# KiCad board VNTR-65.kicad_pcb (continued)
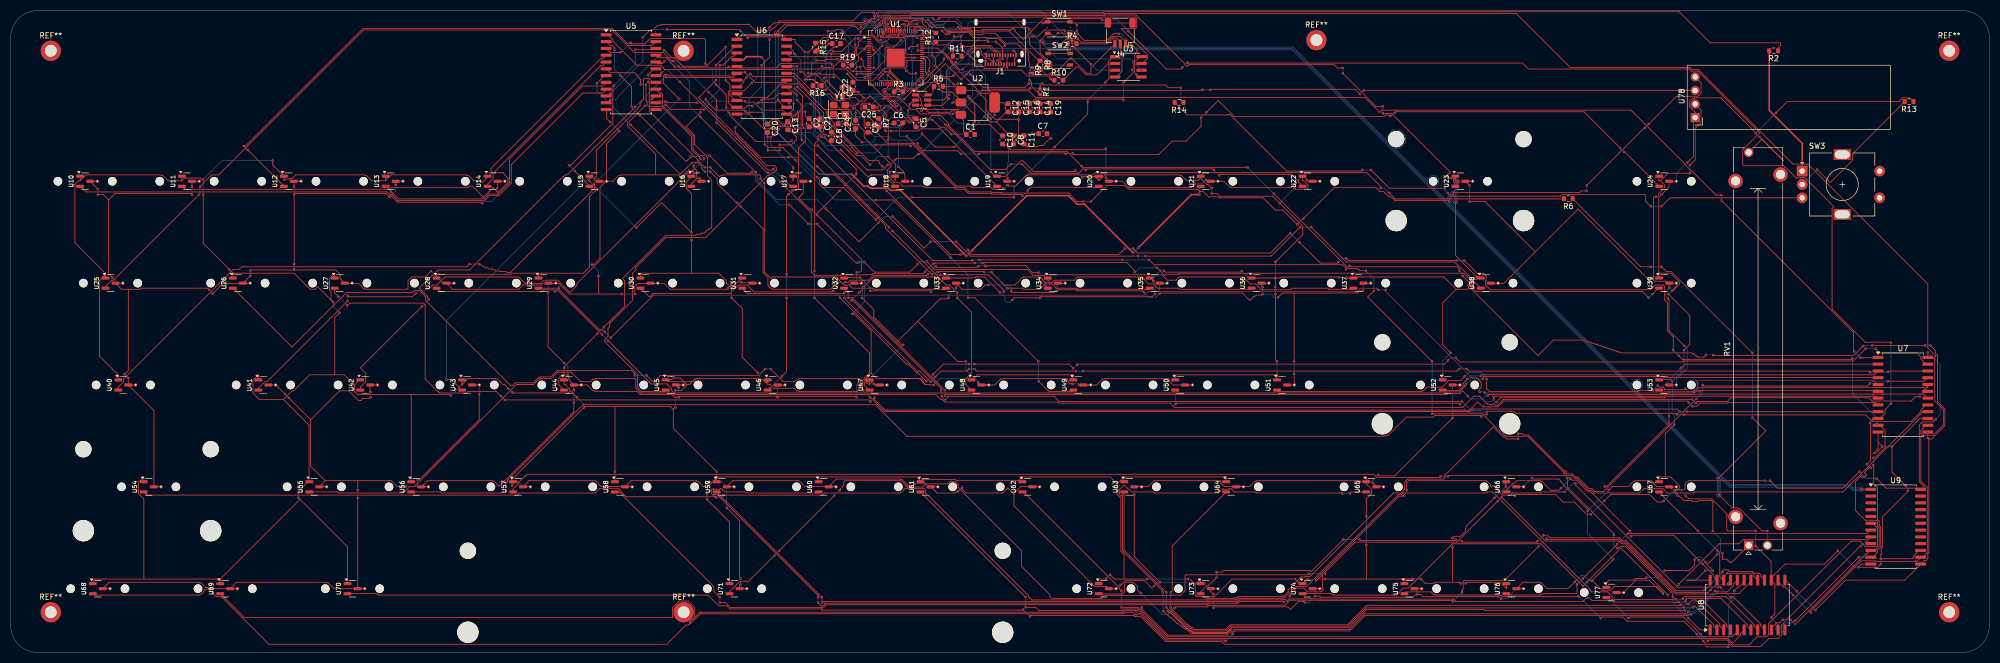
[diagram p0: board, top side]
## Routing (per net, layer and track width the routed paths; a pad name or vN(x,y) marks a point on that pad's centre or on a via; arc(x,y) is an arc through that point) (continued)
  Top w0.3: 194.2,102.5 193.9,102.8 ; 169.2,99.5 v1(168.7,100) 168.83,100 ; v1(151.5,112.3) 150.9,112.9 150.8,112.8 150.6,112.8 150.6,112.75
  Bottom w0.15: v1(318.3,15.3) v1(316.9,15.3) ; v1(142.1,96.3) 142.1,94.9 v1(146.3,90.7) ; v1(214,67) 214,69.1 v1(213.7,69.4) ; v1(155.6,116.2) 157,114.8 157,113.7 157.7,113 159.5,113 v1(159.7,112.8) ; v1(130.2,29.6) v1(130.2,28.6) ; v1(213.6,70) 215,71.4 v1(215.6,71.4) ; v1(172.6,50) 173.8,51.2 v1(179.3,51.2) ; v1(107.2,45.8) 107.2,46.4 v1(105.9,47.7) ; v1(311.1,42.6) 311.1,44.3 310.7,44.7 v1(310.7,50.7) 312.9,52.9 v1(312.9,56.5) ; v1(194,69.7) 194.2,69.5 194.2,68.2 192.5,66.5 v1(192.5,66.3) ; 162.75,116.4 160.8,118.35 160.15,118.35 159.98,118.53 159.62,118.53 159.38,118.28 159.38,117.92 159.62,117.67 159.98,117.67 160.15,117.85 160.6,117.85 161.3,117.15 159.35,117.15 159.18,117.33 158.82,117.33 158.57,117.08 158.57,117 157,117 155.9,115.9 ; 319.7,18.9 v1(319.1,18.3) ; 319.7,18.9 v1(320.1,18.5) ; 319.7,18.9 319.7,21.3 v1(318.3,22.7) ; v1(148.6,101.1) v1(147.3,101.1) 148.8,102.6 v1(149.6,102.6) ; v1(148.5,107.1) 148.7,107.1 149.7,108.1 149.7,110.5 v1(151.5,112.3) ; v1(148.5,107.1) v1(148.5,112.3) ; v1(148.5,107.1) 149.3,107.9 149.4,107.9 149.8,108.3 149.8,109.9 v2(150.6,110.7) ; v2(171.4,108.2) v2(170.5,107.3) ; v1(41.6,70.9) v1(40.9,71.6) ; v1(277.5,28.9) v1(279.6,31) v1(281.3,29.3) ; v1(314,89.6) v1(314,91.1) ; v1(295.5,25.8) v1(298,28.3) ; v1(134.8,66.3) v1(134.8,68.1) ; v1(191.8,103) v1(193.3,104.5) ; v1(137.8,114.9) v1(136.5,116.2) ; v1(328,32.1) v1(329,32.1) ; v1(49,92) 39.6,92 v1(36,88.4) v1(36,85.6) ; v1(171.2,99.9) 171.5,99.6 v1(172.3,99.6) ; v1(174.5,69.8) v1(172.1,67.4) ; v1(208.1,103.3) v1(208.1,106.6) ; v1(314.9,17.3) 315.4,17.8 316,17.8 v1(316.9,16.9) ; v1(236.5,67) v1(236.5,68.3) ; v2(158.3,93.4) 161.6,93.4 v1(164.1,95.9) v1(164.1,92.7) 162.2,92.7 v1(160.7,91.2) ; v1(242.5,13.7) v1(245.8,13.7) ; v1(309.3,15.3) 308,14 v1(305.9,14) ; v1(240.2,13.7) v1(240.9,13) ; v1(53.8,29.9) v1(53.8,28.9) ; v1(93.8,48.6) v1(93.1,49.3) ; v1(120.6,115.5) 120.6,116.5 v1(122.7,116.5) ; v1(139.7,52.3) 140.1,51.9 v1(140.1,51) 140.7,51 v1(141.1,50.6) ; 162.75,116.4 v1(166.3,116.4) ; v1(176.1,102.8) 176.4,103.1 176.4,106.2 v1(176.3,106.3) ; v1(205.6,14.5) v1(204.9,13.8) ; v1(157.4,63.3) 159.7,65.6 159.7,69.2 v1(158.8,70.1) 160.7,68.2 v1(160.7,67.6) ; v2(154.6,110.9) 155.8,110.9 v2(156.6,110.1) ; v1(175.9,96.9) 178,96.9 v1(180.3,99.2) ; v2(172.3,111.7) 172.3,115.2 v1(171.8,115.7) 171.2,115.7 v1(170.4,114.9) ; v1(132,32.8) v1(132,33.8) ; v1(224.6,85.8) v1(224.6,86.8) ; v1(163.1,108.1) 162.3,108.9 162.3,111.7 v1(161.4,112.6) v1(161.4,109.3) ; 143.7,97.8 v1(145.4,99.5) 146.3,100.4 v1(146.6,100.4) ; v1(231.5,70) v1(230.2,71.3) ; v1(310,67) v1(310.7,67.7) ; v1(151.5,99.4) v1(152.6,99.4) 151,101 v2(151,105.7) ; v1(185,67.3) 185.9,66.4 185.9,65.8 186.3,65.4 186.8,65.4 v1(187.3,65.9) ; v1(348.9,32.5) 347,32.5 v1(345.7,33.8) ; 171.5,108.2 173.1,106.6 170.1,106.6 v2(169.8,106.9) ; v1(360,43.6) 360.8,44.4 360.8,53.8 v1(358.5,56.1) ; v1(212.5,13.7) v1(220.1,13.7) ; v1(184,100.5) v1(183.3,99.8) v1(183.3,89.8) ; v1(168.7,100) 164.6,100 v1(164.1,99.5) v1(162.6,99.5) 163.3,98.8 164.8,98.8 ; v1(84.4,50.1) v1(82.3,48) ; v1(200.4,88.8) v1(199.1,90.1) ; v1(270.2,84.3) v1(270.2,88.2) ; v1(248.4,70.1) v1(249.8,70.1) ; v2(173.9,107.2) 173.9,108.7 v2(172.9,109.7) ; v1(113,33.8) v1(113,32.8) ; v1(117,79.4) v1(108.2,88.2) 109.6,86.8 v1(109.6,86.6) 109.7,86.7 ; v1(127.3,77.1) v1(127.3,78.5) ; v1(61.5,63.5) 60.3,64.7 v1(60.3,65.5) ; v1(309.1,28.3) v1(311.1,30.3) 311.7,29.7 v1(311.7,29.3) 310.9,30.1 ; v1(267.8,51.9) 267.8,54.5 v1(269.3,56) ; v1(253.5,20.1) v1(253.5,25.4) ; v1(262.3,13.7) v1(263.7,13.7) ; v1(160.1,50.5) 159.4,50.5 v1(158.8,49.9) ; v1(271.1,12.9) v1(272.1,12.9) ; v1(152.8,116.2) v1(152.8,114.5) ; v1(236.5,70) v1(236.5,73) ; v1(272.6,68.6) v1(273.9,69.9) ; v1(179.1,104) v1(178.4,103.3) ; v1(236.8,51.9) v1(236.8,54.4) ; v1(269.6,19.6) v1(269.6,21.4) ; v1(237.3,84) v1(240.1,86.8) ; v1(124.3,45.8) v1(124.3,49)
  Bottom w0.3: v1(153,113.8) v1(151.5,112.3)
  vias: v1(164.8,98.85)
GND: length 2128.3
  Top w0.15: 189.5,95.1 190,94.6 192.1,94.6 192.3,94.8 193,94.8 194.3,96.1 v1(194.6,96.1) ; v1(310.2,68.2) 310.1,68.3 310.1,69 ; v1(186.4,88.7) 186.4,88.2 ; v1(103.5,54.1) 100.5,57.1 v1(100.5,67.3) ; 35.3,88.1 U11.3 v1(33.9,87.1) ; 114.9,31 110.4,31 109.3,32.1 96.9,32.1 95.8,31 97.2,31 ; 114.9,31 116.2,31 ; 114.9,31 116,32.1 128.2,32.1 128.3,32 128.5,32 129.5,31 129.7,31 v1(130.6,31.9) ; v1(19,70.1) 18.3,70.8 18.3,84.6 ; v1(254.7,31.7) 255.4,31 256.7,31 ; 153,31 154.4,32.4 166.4,32.4 166.5,32.3 166.7,32.3 167.8,31.2 168.7,31.2 v1(169,31.5) ; 153,31 148.5,31 147.4,32.1 135,32.1 133.9,31 135.3,31 ; 153,31 154.3,31 ; v1(37.1,67.8) 36.8,68.1 24.4,68.1 24.2,67.9 20.7,67.9 19.6,69 21,69 ; 105.3,50 107.8,50 108.9,48.9 109.2,48.9 109.3,48.8 117.1,48.8 117.7,48.2 123.6,48.2 124.1,47.7 v1(124.9,47.7) 125.1,47.9 143.2,47.9 v1(143.4,47.7) 143.6,47.9 158,47.9 v1(158.2,47.7) ; 105.3,50 v1(105.3,49) ; 105.3,50 104.4,50.9 104.4,51.1 104.5,51.2 104,51.7 v1(104.2,51.9) ; 105.3,50 U44.3 ; 54.3,88.1 53,88.1 v1(53,87.1) ; 197.2,69 195.8,69 ; v1(178.6,54.4) 177.1,54.4 169.6,61.9 ; 349.2,39.3 v1(350,38.5) 348.7,37.2 348.3,37.2 349.2,38.1 349.2,41.2 ; v1(171.7,115.1) 170,116.8 169.1,116.8 168.9,116.6 168.9,116.2 ; v1(158.1,89.4) 158.1,90.4 v1(152.2,96.3) ; 311.4,30.9 310.9,30.9 310.6,30.6 310.5,30.6 310.1,31 307.8,31 307.3,31.5 307.3,31.6 306.8,32.1 303.8,32.1 303.7,32 303.5,32 302.5,31 299.5,31 v1(298.8,30.3) ; 189.5,95.4 189.22,95.62 188.76,96.08 188.5,96.4 ; 187.7,88.1 187.5,88.3 187.3,88.1 U19.3 ; v1(114.3,67) 104.5,67 102.5,69 100.6,69 101.9,69 ; 111.4,88.2 111.4,95.1 v1(113.8,97.5) ; v1(22,51.3) 22,50 ; 22,50 26.8,45.2 26.8,31 28.1,31 ; 22,50 23.4,50 ; 78.1,31 76.8,31 77.9,32.1 90.1,32.1 90.2,32 90.4,32 91.3,31.1 91.4,31.1 v1(92.2,31.9) 105.3,45 v1(105.3,46.7) ; v1(329.2,6.5) 329.9,7.2 329.9,12.8 329.2,13.5 329.2,17 v1(326.3,19.9) ; 310.1,69 309.7,69.4 307.5,69.4 307.2,69.7 307.2,85 307.4,85.2 v1(307.7,85.2) ; 310.1,69 311.5,69 ; 202,50 203.1,50 204.2,51.1 204.4,51.1 204.5,51.2 216.5,51.2 216.7,51 216.7,50.7 217.4,50 U50.3 ; 202,50 v1(199.8,50) ; 202,50 200.6,50 ; v1(161.3,99) 161.3,99.3 159,101.6 159,102.4 159.3,102.7 160.6,102.7 161.3,102 162,102 v1(162.1,101.9) ; 145.6,102.91 v1(145.6,102.7) 145.1,103.2 ; v1(37.8,67.1) 39.7,69 43.4,69 ; 180.7,118 189.3,118 ; 156,98.8 157.4,97.4 158,97.4 158,96.6 v1(159.2,95.4) ; 156,98.8 156,100.4 ; 156,98.8 156,100.5 ; 41,11.9 37.3,11.9 37.1,12.1 36.5,12.1 35.6,13 35.3,13 35.2,13.1 18.4,13.1 17.2,11.9 18.6,11.9 ; 41,11.9 42.2,13.1 59,13.1 59.1,13 59.4,13 60.5,11.9 64.9,11.9 ; 41,11.9 42.4,11.9 ; v1(136.5,13.8) 136.3,14 136.3,24.6 v1(133.9,27) ; v1(327,96.4) 331.4,92 331.45,92.05 331.5,92 327.5,96 RV1.3 ; 64.9,11.9 v1(64.9,28.9) ; 64.9,11.9 66.2,11.9 ; v1(169,98.4) 168.9,98.5 168.9,99.1 168.5,99.5 168.4,99.5 167.8,100.1 ; 149.1,98.7 149.7,98.1 150.9,98.1 v1(151.4,97.6) 151.4,97.81 ; v1(72,87.4) U13.3 73.4,88.1 ; 168.6,88.1 167.2,88.1 167.2,89.6 v1(166,90.8) ; 177.7,105.1 180.5,105.1 181.4,104.2 181.5,104.2 182.4,103.3 182.4,101.4 182.68,101.08 183.14,100.62 184.1,99.7 188.4,99.7 v1(188.5,99.6) 188.5,96.4 ; v1(252.3,31.9) 252.1,32.1 233,32.1 232.9,32 232.7,32 231.7,31 229.2,31 ; 180.26,96.84 179.6,97.5 v1(179.4,97.5) ; 198.1,117.9 193.3,117.9 v1(193.1,117.7) ; v1(108.7,72.5) 109,72.5 110.2,73.7 110.2,87 111.3,88.1 U15.3 ; v1(88.2,84) 88,84.2 72.3,84.2 71.2,85.3 70.9,85.3 v1(70.8,85.2) 70.2,85.8 53.2,85.8 v1(53,85.6) v1(53,72.6) ; v1(211.9,67.3) 211.6,67.6 199.4,67.6 199.2,67.8 195.9,67.8 v1(195.7,67.6) 195.3,67.6 195,67.3 187.3,67.3 187.1,67.5 ; 206.7,88.1 205.4,88.1 207.9,88.1 209,87 209.2,87 209.3,86.9 220.8,86.9 221.1,87.2 221.1,87.3 v1(221.4,87.6) ; 207.6,12.6 208.4,13.4 212,13.4 213.4,12 v1(213.8,12.4) ; v1(186.6,94.4) 187,94 204.6,94 v1(204.8,94.2) ; v1(186.6,94.4) 185.6,95.4 ; v1(186.6,94.4) 186.5,94.5 186.5,97 184.3,99.2 ; 216.2,69 214.9,69 ; v1(313.2,29.3) 313.8,28.7 318.1,28.7 321,25.8 321,25.7 320.9,25.6 320.9,22.9 321.1,22.7 v1(326.3,22.7) ; 358.5,43.7 357,43.7 v1(351.8,38.5) 351.8,33.7 v1(354.3,31.2) ; v1(78.6,71.3) 77.5,70.2 75,70.2 74.3,69.5 74.3,68.1 74.1,67.9 66.3,67.9 66.2,68 66,68 65,69 62.5,69 ; 238.7,50 240,50 v1(240,52.1) ; 80.9,69 v1(80.8,69.1) ; 244.8,88.1 242.6,88.1 v1(242.4,88.3) ; v1(166.9,57.5) 166.6,57.5 161.4,62.7 161.4,64.1 v1(159.2,66.3) ; v1(310.1,44.2) 310.1,42.7 298.4,31 v1(298.1,31) ; 186.5,101.4 187,100.9 193.9,100.9 ; 186.5,101.4 188.5,101.4 ; 186.5,101.4 184.3,99.2 ; v1(278.7,10) 278.3,10.4 264,10.4 263.6,10.8 v1(263,10.8) 262.7,10.8 262.2,10.3 245,10.3 244.8,10.5 v1(243.9,10.5) ; v1(272.8,84.3) 275.7,84.3 285.1,74.9 ; 152.9,95.6 153.5,96.2 153.5,96.17 ; v1(176.8,68.2) 176.8,69 ; 176.8,69 178.1,69 ; 176.8,69 177.9,67.9 181.4,67.9 182.2,68.7 v1(182.9,68.7) ; 225.8,11.9 v1(224.4,11.9) 224.4,11.4 v1(224.9,10.9) ; 271,50 269.6,50 ; 56.1,43.5 56.1,34.8 58.8,32.1 ; 56.1,43.5 61.5,48.9 63.2,48.9 65,47.1 65.5,47.1 65.9,47.5 67.1,47.5 v1(67.3,47.7) ; 56.1,43.5 v1(52,47.6) ; 64.9,32.1 v1(64.9,30.3) ; 263.9,11.9 U75.3 ; 43.4,69 44.8,69 ; 43.4,69 v1(44.8,70.4) ; 188.5,96.4 187.62,95.52 187.49,95.52 ; 121,69 119.6,69 ; 119.6,69 117.3,69 116.7,68.4 116.7,67.1 v1(116.8,67) ; 119.6,69 122.2,69 123.3,67.9 133.9,67.9 v1(134.1,68.1) ; 82.9,69 81.5,69 82.6,67.9 95,67.9 95.8,68.7 99.2,68.7 99.5,69 100.4,69 ; v1(199.4,116.3) 199,115.9 199,113.8 205.1,113.8 206.2,114.9 206.8,114.9 207.5,114.2 ; v1(330.1,100.9) 332.2,103 353.1,103 353.8,103.7 355.1,103.7 355.8,103 ; 58.8,32.1 71.2,32.1 72.3,31 v1(73.9,31) ; 58.8,32.1 57.7,31 59.1,31 ; v1(237,66.4) 237.8,67.2 251.9,67.2 252.3,67.6 v1(252.9,67.6) ; v1(147.3,98) 147.3,97.8 146.45,96.95 ; 230.5,31 229.2,31 ; 229.2,31 226.9,31 226.3,31.6 226.3,31.9 226.1,32.1 213.8,32.1 212.7,31 210.1,31 211.5,31 ; 188.5,101.4 192.5,101.4 ; 188.5,101.4 v1(188.5,100.6) ; v1(87.6,48.3) 87.6,43.5 76.4,32.3 v1(76.1,32.3) ; 62.5,69 63.8,69 ; 62.5,69 61.6,69.9 61.6,70.7 60.8,71.5 44.9,71.5 v1(44.8,71.4) ; 184.3,99.2 183.1,99.2 v1(182.1,100.2) ; v1(176.4,115.2) 176.5,115.1 177.6,115.1 v1(177.7,115.2) ; v1(242,9.33) 241.82,9.5 240.8,9.5 239.3,8 238.8,8.5 225.1,8.5 v1(224.9,8.3) ; 163.8,50 161.6,50 v1(161.4,50.2) ; v1(269.6,43.8) 258.8,33 255.9,33 v1(255.7,33.2) ; 273.4,88.1 272,88.1 v1(272.8,87.3) ; v1(308.7,85.6) 310.1,87 310.1,88.1 311.5,88.1 ; v1(170.4,97) 172.9,94.5 v1(176.4,94.5) ; 173.4,31 172,31 173.2,29.8 176.6,29.8 176.9,30.1 v1(177.2,30.1) ; 87.6,50 86.3,50 ; v1(118.6,102.2) 115.3,98.9 115.3,98.5 120.6,93.2 120.6,89.3 ; v1(214.8,67) 215,67.2 230.3,67.2 231.6,65.9 231.8,65.9 232.4,66.5 232.6,66.5 232.9,66.8 233.9,66.8 v1(234.1,67) ; v1(128.8,88.7) 129.2,88.3 ; v1(294.9,26.4) 294.9,26.7 290.4,31.2 290.4,31.4 289.8,32 289.8,32.1 289.5,32.4 284.7,32.4 v1(284.5,32.6) ; v1(313,57.3) 310.1,60.2 310.1,66 v1(309.9,66.2) ; 276.8,69 279.2,69 293.1,82.9 306.4,69.6 v1(306.4,69.3) ; 140,69 138.7,69 ; 206.7,11.9 205.4,11.9 205,12.3 202.7,12.3 187.6,27.4 187.6,29.6 ; 165.9,58.2 173.8,66.1 175.2,66.1 v1(175.4,66.3) ; 124.9,49.7 v1(124.9,49.5) 124.4,50 125.8,50 ; 223.66,88.4 v1(223.5,88.4) 223.8,88.1 ; 282.9,31 281.6,31 ; v1(313.5,91.6) 314.7,92.8 314.7,99.7 ; v1(158.5,104.8) 157.8,104.8 ; v1(177.9,30.8) 177.9,30.5 178.6,29.8 185.5,29.8 186.4,30.7 186.5,30.7 187.6,29.6 ; 300.3,11.2 301.6,11.2 303.9,13.5 306.4,13.5 309.1,10.8 309.1,11.1 307.9,12.3 299.9,12.3 299.2,11.6 297.6,11.6 295.8,13.4 295.8,13.5 v1(299.7,17.4) ; 209.8,117.7 198.3,117.7 ; v1(187.6,112.5) 188,112.1 188,111.3 187.7,111 187.7,110.1 ; 244.8,11.9 243.4,11.9 ; v1(341.7,19) 339.2,16.5 331.8,16.5 329.2,13.9 ; 187.6,29.6 187.9,29.9 187.9,30 188.9,31 192.4,31 ; 18.3,84.6 17.3,85.6 v1(16.3,85.6) ; 18.3,84.6 19.5,85.8 33.7,85.8 v1(33.9,85.6) ; 180.9,111.9 180.2,111.2 180.2,111.1 180,110.9 180.04,110.86 ; 16.2,88.1 14.8,88.1 v1(16.3,86.6) ; 149.3,98.6 v1(152.2,98.6) ; v1(349.7,16.5) 349.1,15.9 v1(345.5,15.9) 346.1,16.5 347.8,16.5 ; v1(158.2,71.1) 158.8,71.1 159.1,71.4 159.1,73.5 v1(150.8,81.8) 150.8,82.1 v1(155,86.3) ; v1(141.6,93.9) v1(143.8,93.9) ; 48.2,50 49.6,50 v1(51.3,48.3) ; v1(234.1,68.3) 233.9,68.5 233.9,69 235.3,69 ; v1(182.3,110.6) 182.3,110.1 ; 167.8,100.1 v1(167.8,101.4) ; 167.8,100.1 169.2,98.7 ; 120,103.5 120.6,104.1 ; 92.4,88.1 91,88.1 v1(91,86.8) ; U46.3 143.4,50 ; 109.9,67 v1(109.9,70.4) ; v1(141.5,96.4) 141.5,97.2 138,100.7 135.8,100.7 ; v1(177.7,113.7) 177.7,112.9 178.8,111.8 179.1,111.8 v1(180.4,110.5) ; 354.8,30.1 350,25.3 350,19.6 349.8,19.4 349.8,18.4 349.7,18.3 v1(349.7,17.5) 355.6,17.5 355.9,17.8 355.9,18.1 356.9,19.1 ; 182.35,111.9 v1(182.2,111.9) 182.4,111.7 ; 22,67.9 22,52.7 v1(21.3,52) ; v1(126.9,90.1) 126.7,89.9 126.4,89.9 125.4,88.9 125.3,88.9 124.9,89.3 114.1,89.3 114,89.2 113.7,89.2 112.6,88.1 111.5,88.1 ; U48.3 181.5,50 184,50 185.1,51.1 185.4,51.1 185.5,51.2 197.5,51.2 197.7,51 197.7,50.6 198.1,50.2 v1(198.6,50.2) ; 145.7,97.7 146.9,96.5 146.9,95.8 146,94.9 v1(143.8,94.9) ; 149.1,98.6 v1(149,98.7) ; v1(168.1,102.5) 168.5,102.9 168.8,102.9 169.2,103.3 ; v1(136.6,69.2) 138.5,69.2 ; v1(67.3,48.7) 67.2,48.8 67.2,50 U42.3 ; v1(214.9,13.1) 210.1,17.9 v1(210.1,29.5) ; v1(152.6,111.9) 153.8,113.1 154.5,113.1 155.2,113.8 ; 181.4,50 v1(180.9,50.5) 180.9,50.3 ; 130.5,88.1 129.2,88.1 ; U78.1 315,101 313.9,102.1 313.9,103 314.5,103.6 314.8,103.6 314.9,103.7 319.8,103.7 326.3,97.2 ; 199,117.7 v1(199.4,117.3) ; 240,67.2 v1(240,54.4) ; v1(136.5,12.7) 136.3,12.5 136.3,11.9 137.7,11.9 ; 149.6,88.1 U17.3 148.2,85.9 147.4,85.1 147.4,84.9 149.5,82.8 v1(149.8,82.8) ; 311.5,50 310.1,50 ; 225.8,88.1 U21.3 226.9,88.1 228,87 228.3,87 228.4,86.9 239.4,86.9 v1(240.3,87.8) ; 282.9,11.9 281.6,11.9 282.8,13.1 285.9,13.1 286,13 286.2,13 287.3,11.9 291.2,11.9 v1(292.5,13.2) ; v1(112.1,99.2) 111.4,99.9 111.4,101.5 ; 207.5,113.8 207.5,112 207.8,111.7 207.8,108.6 206.8,107.6 ; v1(169,111.2) 165.5,111.2 ; 254.3,69 253,69 ; 159.1,69 157.7,69 ; v1(204.8,88.8) 205.4,88.2 ; v1(152.6,106.9) 155.4,104.1
  Top w0.3: 193.9,100.9 194.3,101.3 ; 160.5,97.5 v1(160.9,97.1) ; 158,97.9 158,97.5
  Bottom w0.15: 160.5,51.1 v1(166.9,57.5) ; 160.5,51.1 159.2,51.1 158.2,50.1 v1(158.2,47.7) ; 160.5,51.1 v1(161.4,50.2) ; v1(150.8,81.8) v1(149.8,82.8) ; v1(188.5,99.6) v1(188.5,100.6) ; v1(213.8,12.4) 214.5,13.1 223.2,13.1 v1(224.4,11.9) ; v1(221.4,87.6) 222.7,87.6 v1(223.5,88.4) ; v1(156.2,100.7) 156,100.7 154.1,102.6 ; 254.5,31.9 v1(254.7,31.7) ; 254.5,31.9 254.5,32 v1(255.7,33.2) ; 254.5,31.9 v1(252.3,31.9) ; v1(134.1,68.1) 134.3,68.3 134.3,68.4 135.1,69.2 v1(136.6,69.2) ; v1(52,47.6) v1(51.3,48.3) ; v1(100.5,67.3) v1(100.5,68.9) ; v1(240.3,87.8) 241.3,88.8 241.9,88.8 v1(242.4,88.3) ; v1(354.8,30.2) 354.8,30.7 v1(354.3,31.2) ; v1(168.1,102.5) 168.1,101.7 v1(167.8,101.4) ; v1(199.8,50) 199.6,50.2 v1(198.6,50.2) ; 19.6,69 19.6,69.5 v1(19,70.1) ; v1(141.5,96.4) 141.5,95.2 141.6,95.1 v1(141.6,93.9) ; v1(145.6,102.7) 145.6,102.1 147.1,100.6 147.1,98.7 147,98.7 v1(149,98.7) 148.3,98 v1(147.3,98) ; v1(92.2,31.9) 94.9,31.9 95.8,31 ; v1(53,71.6) v1(53,72.6) ; v1(126.9,90.1) 127.1,89.9 127.1,89.8 128.2,88.7 v1(128.8,88.7) ; 161.6,96.4 v1(160.9,97.1) 161.3,97.5 v1(161.3,99) ; 161.6,96.4 161.6,95.8 161.2,95.4 v1(159.2,95.4) ; 161.6,96.4 161.7,96.5 164.3,96.5 165,95.8 169.4,95.8 170.4,96.8 170.4,98 170,98.4 v1(169,98.4) ; 171.7,111.6 171.3,111.2 v1(169,111.2) ; 171.7,111.6 172.2,111.1 172.6,111.1 176.4,114.9 v1(176.4,115.2) ; 171.7,111.6 v1(171.7,115.1) ; 180.4,117.9 179.4,117.9 179,117.5 179,116.5 v1(177.7,115.2) v1(177.7,113.7) ; v1(169,31.5) 171.1,31.5 v1(171.8,30.8) ; 76.8,31 v1(73.9,31) ; v1(182.2,111.9) 182.3,111.8 v1(182.3,110.6) ; v1(182.2,111.9) 182.8,112.5 v1(187.6,112.5) 188.21,111.89 J1.SH ; v1(182.2,111.9) 180.9,111.9 ; v1(182.9,68.7) 186.6,68.7 187.1,68.2 v1(187.1,67.6) ; 311.5,31 v1(313.2,29.3) ; v1(308.7,85.6) 308.3,85.2 v1(307.7,85.2) ; v1(67.3,47.7) v1(67.3,48.7) ; v1(310.2,68.2) 309.4,67.4 309.4,66.8 309.9,66.3 ; v1(16.3,85.6) v1(16.3,86.6) ; v1(44.8,71.4) v1(44.8,70.4) ; v1(211.9,67.3) 212.8,66.4 214.2,66.4 v1(214.8,67) v1(214.8,68.9) ; 189.5,117.8 193,117.8 v1(193.1,117.7) ; 281.6,11.9 279.7,10 v1(278.7,10) ; v1(269.6,43.8) 269.6,50 ; v1(155.81,98.84) 155.64,98.84 155.5,98.7 155.5,98.35 155.35,98.35 155.2,98.5 155,98.5 154.9,98.6 v1(152.2,98.6) ; v1(103.5,54.1) 104.2,53.4 v1(104.2,51.9) ; v1(177.9,30.8) v1(177.2,30.1) ; v1(252.9,67.6) v1(252.9,69.1) ; v1(331.7,4.1) 331.4,3.8 330.5,3.8 330.1,4.2 330.1,5.6 v1(329.2,6.5) ; v1(124.9,47.7) v1(124.9,49.5) ; v1(113.8,97.5) v1(112.1,99.2) ; v1(295.7,13.4) 295.2,13.4 294.2,14.4 293.7,14.4 v1(292.5,13.2) ; v1(175.4,66.3) 175.4,66.8 v1(176.8,68.2) ; v1(155,86.3) v1(158.1,89.4) ; v1(64.9,30.3) v1(64.9,28.9) ; v1(178.6,54.4) 178.6,52.8 v1(180.9,50.5) ; v1(310.1,44.2) 310.1,50 ; v1(327,96.4) v1(326.3,97.1) v1(330.1,100.9) ; v1(161.3,99) 162.1,98.2 166.1,98.2 167.2,99.3 ; v1(161.3,99) 162.4,99 163.2,98.2 166,98.2 166.4,98.6 ; v1(307.1,70) v1(306.4,69.3) ; v1(80.8,69.1) v1(78.6,71.3) ; v1(176.4,94.5) 182.3,100.4 182.3,107.7 180.4,109.6 v1(180.4,110.5) ; v1(143.4,47.7) v1(143.4,49.9) ; v1(224.9,8.3) v1(224.9,10.9) ; v1(349.7,16.5) v1(349.7,17.5) ; v1(105.3,46.7) v1(105.3,49) ; v1(204.8,94.2) v1(204.8,88.8) ; 282.9,31 v1(284.5,32.6) ; v1(109.9,70.4) 109.9,71.3 v1(108.7,72.5) ; v1(207.5,12.6) 206.8,11.9 ; v1(91,86.8) 91,85.4 89.9,84.3 88.5,84.3 v1(88.2,84) ; v1(151.4,97.6) 152.2,96.8 v1(152.2,96.3) ; v1(186.6,94.4) 186.6,91.7 186.4,91.5 v1(186.4,88.7) ; v1(272.8,84.3) v1(272.8,87.3) ; v1(70.8,85.2) 71.3,85.7 71.4,85.7 72,86.3 v1(72,87.4) ; v1(234.1,68.3) v1(234.1,67) 235.7,67 236.3,66.4 v1(237,66.4) ; v1(37.8,67.1) v1(37.1,67.8) ; v1(130.6,31.9) 133,31.9 133.9,31 v1(133.9,27) ; v1(33.9,85.6) v1(33.9,87.1) ; 311.5,88.1 311.5,89.6 v1(313.5,91.6) ; v1(210.1,29.5) 210.1,31 ; v1(242,9.33) 242.72,9.33 v1(243.9,10.5) v1(243.9,11.8) ; 166,95.8 v1(166,90.8) ; v1(194.6,96.1) v1(193.9,96.8) ; v1(341.7,19) 344.8,15.9 v1(345.5,15.9) ; v1(118.6,102.2) v1(119.9,103.5) ; v1(199.4,117.3) v1(199.4,116.3) ; v1(350,38.5) v1(351.8,38.5) ; v1(114.3,67) v1(116.8,67) ; v1(159.2,66.3) 159.3,66.4 159.3,68.8 158.2,69.9 v1(158.2,71.1) ; v1(152.6,111.9) v1(152.6,106.9) 151.8,106.1 151.8,105 156.1,100.7 ; v1(299.7,17.4) 294.9,22.2 v1(294.9,26.4) v1(298.8,30.3) v1(298.1,31) ; v1(143.8,93.9) v1(143.8,94.9) ; v1(21.3,52) v1(22,51.3) ; v1(53,85.6) v1(53,87.1) ; v1(263,10.8) v1(263,11.8) ; v1(87.6,48.3) 87.6,50 ; v1(162.1,101.9) 162.5,102.3 164.3,102.3 166.9,104.9 166.9,105.3 166.5,105.7 166.1,105.7 164.8,104.4 158.9,104.4 v1(158.5,104.8) ; v1(195.7,67.6) v1(195.7,68.9) ; v1(240,54.4) v1(240,52.1) ; v1(326.3,22.7) v1(326.3,19.9) ; v1(136.5,13.8) v1(136.5,12.7) ; v1(313,57.3) 313.5,56.8 313.5,53.1 311.5,51.1 311.5,50 ; 76.1,31 v1(76.1,32.3)
  vias: v1(19.61,69.05) v1(76.76,30.95) v1(95.81,30.95) v1(133.91,30.95) v1(154.12,102.58) v1(166.35,98.6) v1(167.15,99.35) v1(210.11,30.95) v1(269.64,50) v1(281.55,11.9) v1(310.12,50)
VBUS: length 55.7
  Top w0.15: 184,111.4 183.8,111.2 v1(183.8,110.6) 183.6,110.4 ; 169.5,104.2 170.1,103.6 170.1,103.3 170.3,103.1 v1(170.3,102.3) ; 174,105.8 176.5,105.8 v1(177.1,106.4) ; 178.7,96.8 178.2,97.3 178.2,99.5 176.4,101.3 176,101.3 175.7,101 171.6,101 170.4,102.2 ; 186.5,111.4 186.3,111.2 186.3,110.1 ; 177.7,100.7 v1(177.1,101.3) 176.9,101.5 170.5,101.5 v1(170.3,101.3) ; v1(180,112.3) 180.6,112.9 181.1,112.9 181.5,112.5 181.5,111.9 182.3,111.1 182.9,111.1 183.7,110.3 183.7,110.1 ; v1(186.3,109.4) 186.3,109.9
  Bottom w0.15: v1(183.8,110.6) 185,109.4 v1(186.3,109.4) ; v1(177.1,106.4) v1(177.1,101.3) 179.9,104.1 179.9,111.3 179.5,111.7 179.5,111.8 v1(180,112.3) ; v1(170.3,101.3) v1(170.3,102.3)
